# KiCad board hypjolin.kicad_pcb
title: The Hypjolin Box; company: Triglav Modular; note: Circuit by Rob Hordijk & Ian Fritz
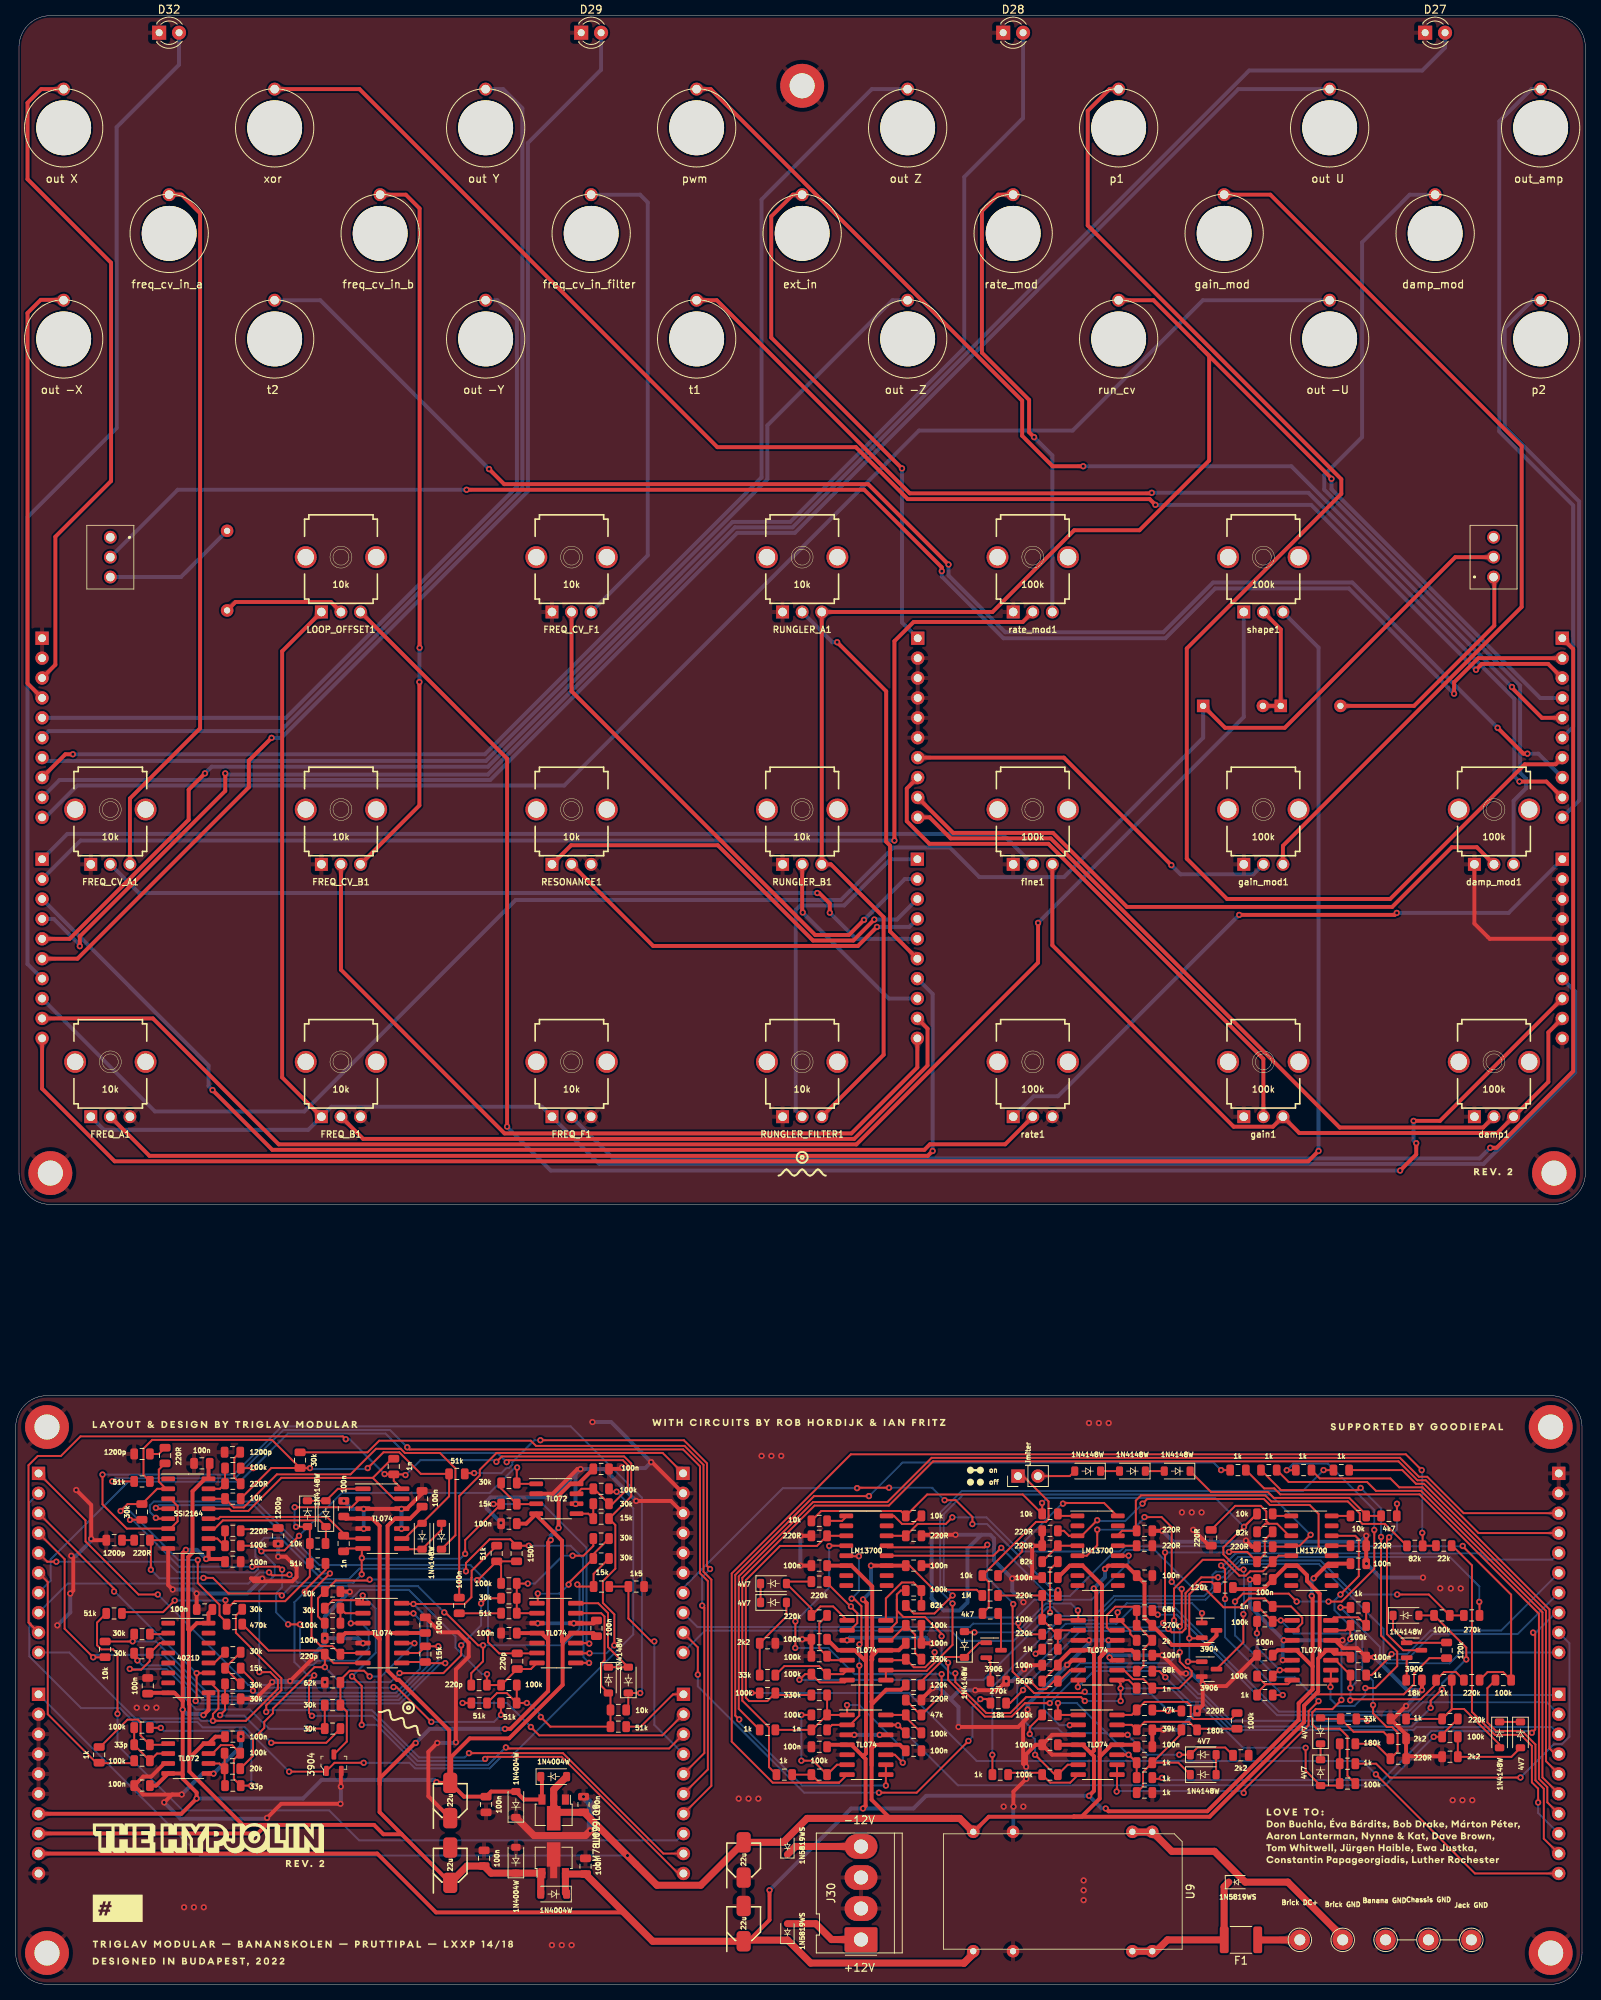
[diagram p0: board, top side]
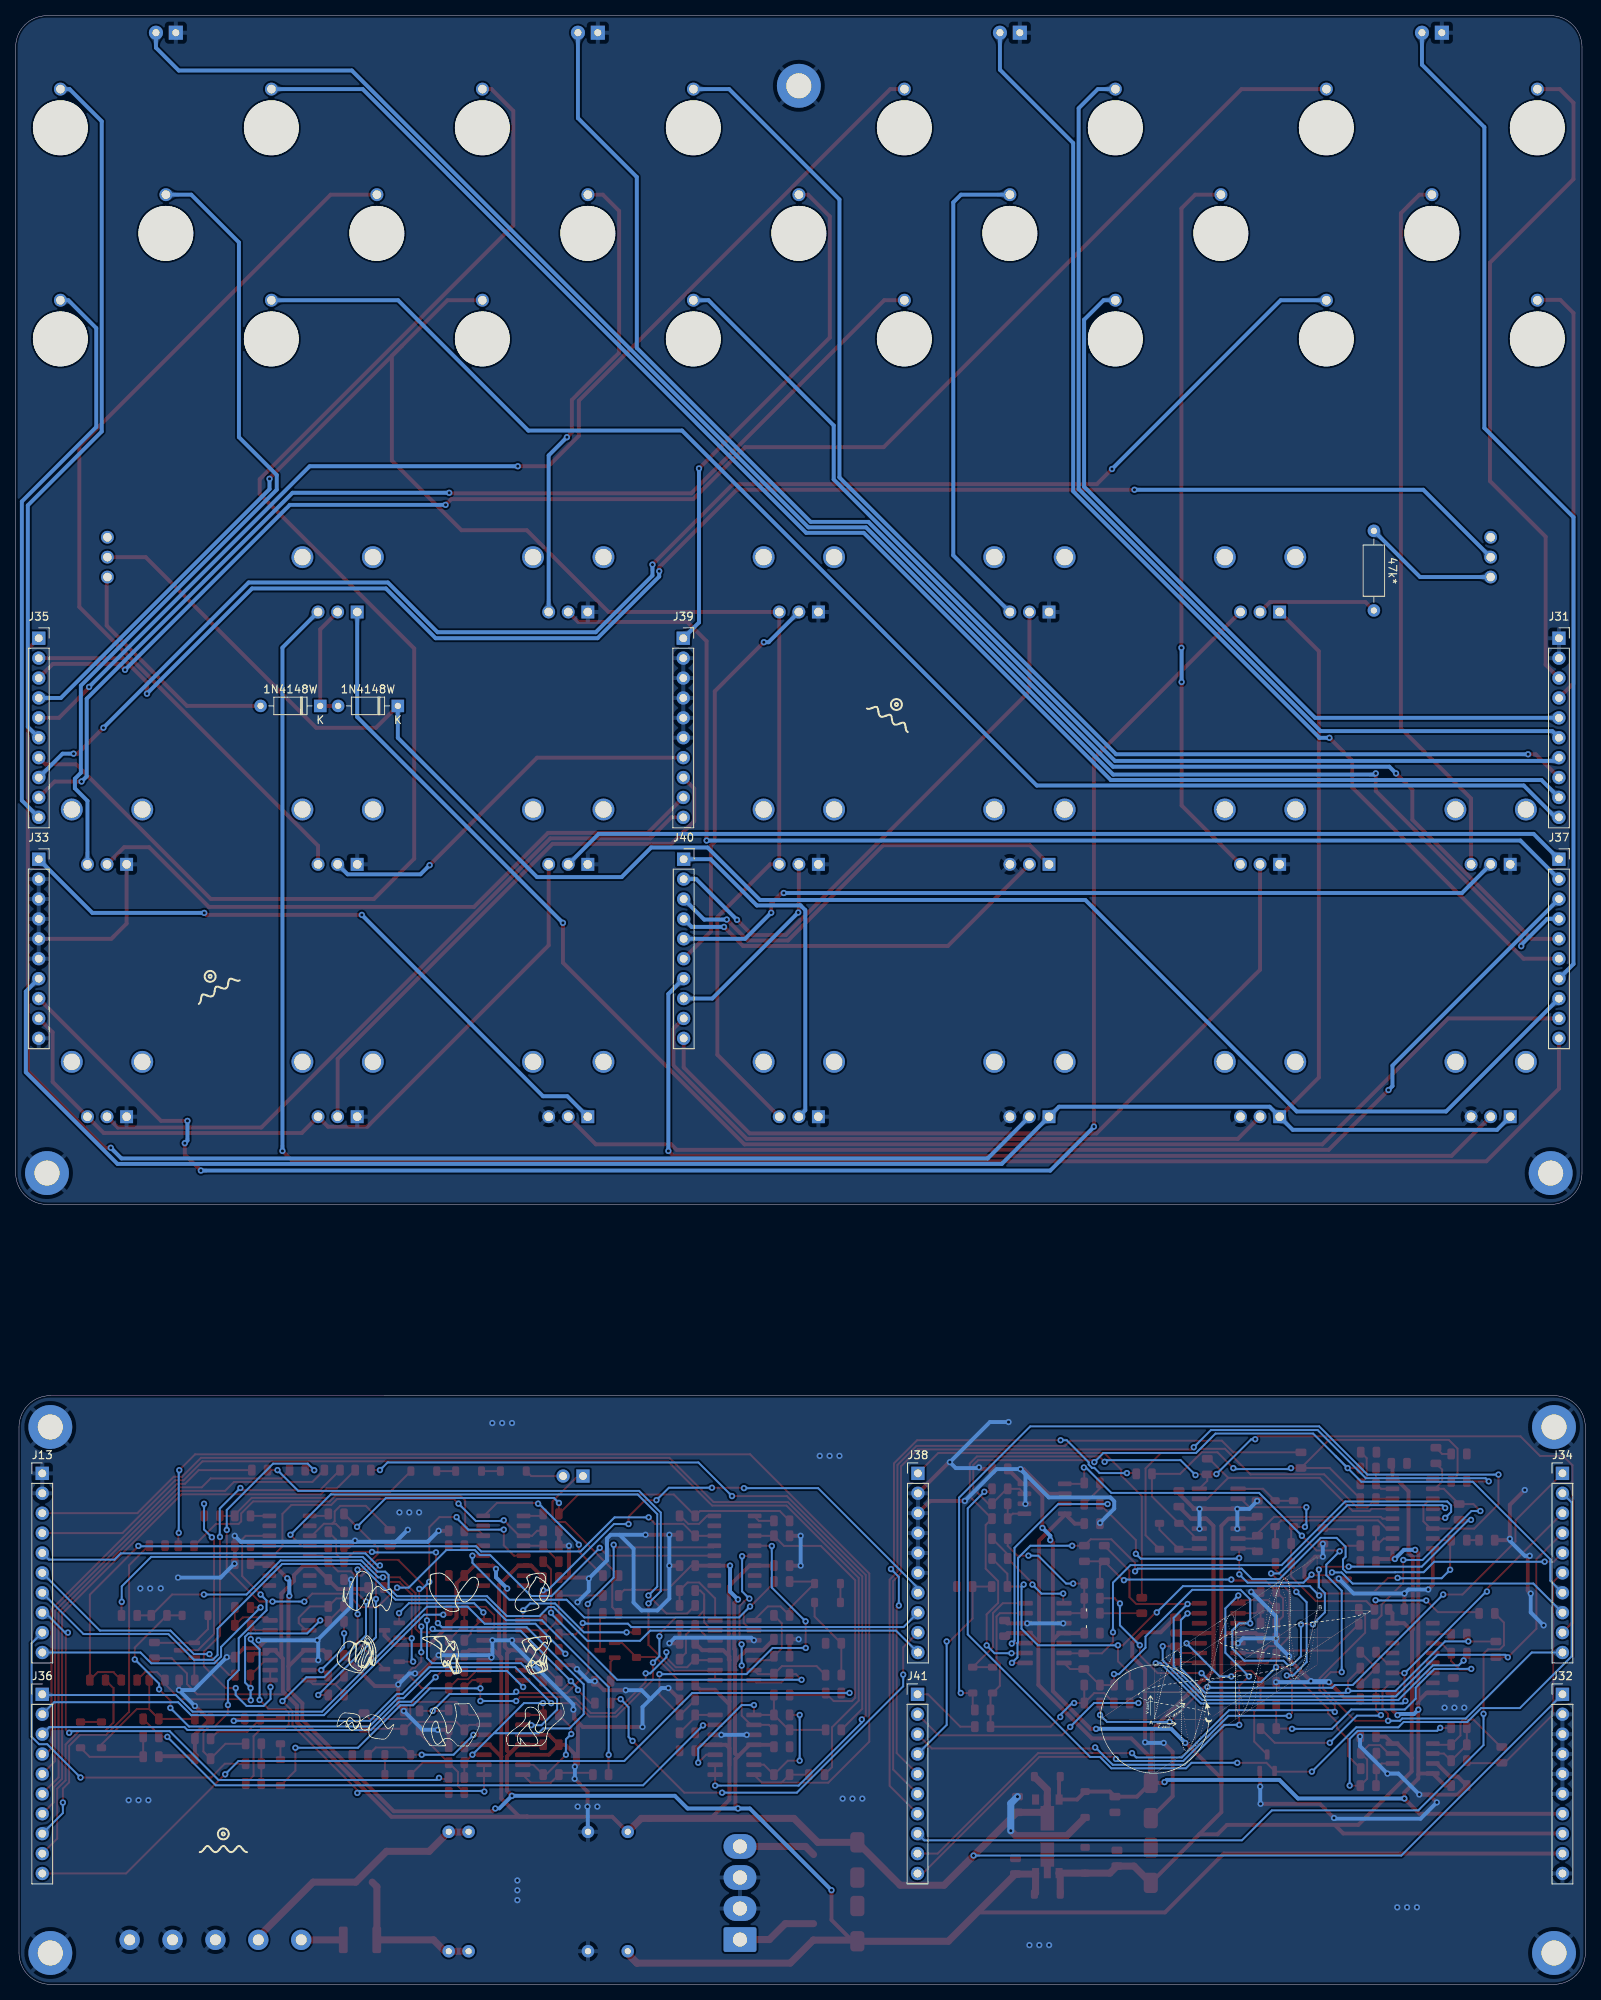
[diagram p1: board, bottom side, seen from below]

Outline 200.42 x 251.22 mm; copper layers: Top, Bottom. Coordinates in mm from the lower left corner of the outline.
Outline path: 0,71.12 0,4 arc(1.17,1.17) 4,0 196,0 arc(198.83,1.17) 200,4 200,71.12 arc(198.83,73.95) 196,75.12 4,75.12 arc(1.17,73.95) 0,71.12 ; 0.42,247.22 arc(1.6,250.05) 4.42,251.22 196.42,251.22 arc(199.25,250.05) 200.42,247.22 200.42,103.53 arc(199.25,100.7) 196.42,99.53 4.43,99.53 arc(1.6,100.7) 0.43,103.53 0.42,247.22
Stack: Top 0.035mm / dielectric 1.51mm FR4 er 4.5 / Bottom 0.035mm

## Placement (name value [footprint] x y rotation side)
C1  1200p  [C_0805_2012Metric]  27.68 67.91 180 top
C2  1200p  [C_0805_2012Metric]  33.52 57.24 270 top
C3  1n  [C_0805_2012Metric]  48.27 66.08 270 top
C4  1n  [C_0805_2012Metric]  41.88 56.25 270 top
C5  100n  [C_0805_2012Metric]  56.63 48.35 270 top
C6  1200p  [C_0805_2012Metric]  12.57 56.68 0 top
C7  220p  [C_0805_2012Metric]  59.17 38.19 0 top
C8  220p  [C_0805_2012Metric]  64.04 41.23 270 top
C9  1200p  [C_0805_2012Metric]  16.13 67.68 0 top
C10  220p  [C_0805_2012Metric]  40.47 42.13 180 top
C11  100n  [C_0805_2012Metric]  72.76 15.07 90 top
C12  100n  [C_0805_2012Metric]  72.51 22.95 270 top
C13  100n  [C_0805_2012Metric]  59.81 16.09 90 top
C14  100n  [C_0805_2012Metric]  60.06 22.95 90 top
C15  22u  [CAPAE430X610N]  55.49 15.2 90 top
C16  22u  [CAPAE430X610N]  55.49 23.46 90 top
C17  100n  [C_0805_2012Metric]  41.9 60.7 90 top
C18  100n  [C_0805_2012Metric]  51.9 61.97 270 top
C19  100n  [C_0805_2012Metric]  74.76 65.78 0 top
C20  100n  [C_0805_2012Metric]  62.98 58.79 0 top
C21  100n  [C_0805_2012Metric]  23.77 66.48 180 top
C22  100n  [C_0805_2012Metric]  27.73 53.94 180 top
C23  100n  [C_0805_2012Metric]  24.12 47.84 180 top
C24  100n  [C_0805_2012Metric]  16.86 38.09 270 top
C25  100n  [C_0805_2012Metric]  62.98 44.82 180 top
C26  100n  [C_0805_2012Metric]  74.16 45.43 270 top
C27  100n  [C_0805_2012Metric]  40.47 44.19 180 top
C28  100n  [C_0805_2012Metric]  52.31 45.83 270 top
C29  33p  [C_0805_2012Metric]  16.13 30.57 180 top
C30  100n  [C_0805_2012Metric]  27.73 31.6 0 top
C31  100n  [C_0805_2012Metric]  16.13 25.36 0 top
C32  33p  [C_0805_2012Metric]  27.73 25.36 0 top
C33  22u  [CAPAE430X610N]  92.95 7.75 90 top
C34  22u  [CAPAE430X610N]  92.95 15.87 90 top
C35  1n  [C_0805_2012Metric]  144.13 37.81 0 top
C36  1n  [C_0805_2012Metric]  159.5 53.94 0 top
C37  1n  [C_0805_2012Metric]  159.5 48.22 0 top
C38  1n  [C_0805_2012Metric]  102.61 32.47 0 top
C39  100n  [C_0805_2012Metric]  144.13 52.16 0 top
C40  100n  [C_0805_2012Metric]  132.07 51.91 0 top
C41  100n  [C_0805_2012Metric]  171.44 53.68 0 top
C42  100n  [C_0805_2012Metric]  114.65 29.81 180 top
C43  100n  [C_0805_2012Metric]  132.07 40.73 180 top
C44  100n  [C_0805_2012Metric]  114.65 43.52 180 top
C45  100n  [C_0805_2012Metric]  114.65 53.43 0 top
C46  100n  [C_0805_2012Metric]  159.5 51.65 0 top
C47  100n  [C_0805_2012Metric]  102.61 44.03 180 top
C48  100n  [C_0805_2012Metric]  144.13 42 180 top
C49  100n  [C_0805_2012Metric]  132.07 30.57 180 top
C50  100n  [C_0805_2012Metric]  171.44 41.75 180 top
C51  100n  [C_0805_2012Metric]  102.61 30.31 180 top
C52  100n  [C_0805_2012Metric]  102.61 53.43 0 top
C53  100n  [C_0805_2012Metric]  159.5 42 180 top
C54  100n  [C_0805_2012Metric]  144.13 30.31 180 top
D1  1N4148W  [D_SOD-123]  51.9 57.18 90 top
D2  1N4148W  [D_SOD-123]  37.26 60.06 270 top
D3  1N4148W  [D_SOD-123]  54.38 57.18 90 top
D4  1N4148W  [D_SOD-123]  39.61 60.06 90 top
D5  1N4148W  [D_SOD-123]  75.68 38.82 270 top
D6  1N4148W  [D_SOD-123]  78.22 38.82 90 top
D7  1N4004W  [D_SOD-123]  68.7 26.5 0 top
D8  1N4004W  [D_SOD-123]  68.7 11.52 180 top
D9  1N4004W  [D_SOD-123]  63.87 15.84 90 top
D10  1N4004W  [D_SOD-123]  63.87 22.95 90 top
D12  1N5819WS  [D_SOD-323]  98.54 6.69 90 top
D13  1N5819WS  [D_SOD-323]  98.54 17.62 90 top
D14  1N4148W  [D_SOD-123]  121.15 43.37 90 top
D15  4V7  [D_SOD-123]  96.76 51.14 0 top
D16  1N4148W  [D_SOD-123]  177.52 47.08 0 top
D17  4V7  [D_SOD-123]  96.76 48.73 0 top
D18  1N4148W  [D_SOD-123]  136.88 65.49 180 top
D19  1N4148W  [D_SOD-123]  142.59 65.49 180 top
D20  1N4148W  [D_SOD-123]  148.31 65.49 180 top
D21  4V7  [D_SOD-123]  166.61 27.01 270 top
D22  4V7  [D_SOD-123]  166.61 32.35 90 top
D23  1N4148W  [D_SOD-123]  151.63 26.76 0 top
D24  4V7  [D_SOD-123]  151.63 29.3 0 top
D25  1N4148W  [D_SOD-123]  189.47 31.84 270 top
D26  4V7  [D_SOD-123]  192.14 31.84 270 top
D27  LED_Dual_Bidirectional_U  [LED_D3.0mm_Clear]  179.97 249.05 0 top
D28  LED_Dual_Bidirectional_Z  [LED_D3.0mm_Clear]  126.09 249.05 0 top
D29  LED_Dual_Bidirectional_Y  [LED_D3.0mm_Clear]  72.21 249.05 0 top
D30  1N4148W  [D_DO-35_SOD27_P7.62mm_Horizontal]  151.63 163.14 0 bottom
D31  1N4148W  [D_DO-35_SOD27_P7.62mm_Horizontal]  161.53 163.14 0 bottom
D32  LED_Dual_Bidirectional_X  [LED_D3.0mm_Clear]  18.32 249.05 0 top
D33  1N5819WS  [D_SOD-323]  155.95 13.04 0 top
damp1  100k  [MusicThingModular-9MM_SNAP-IN_POT]  188.76 117.72 0 top
damp_mod1  100k  [MusicThingModular-9MM_SNAP-IN_POT]  188.76 149.92 0 top
F1  mSMD030  [Fuse_1812_4532Metric]  156.45 5.68 180 top
fine1  100k  [MusicThingModular-9MM_SNAP-IN_POT]  129.87 149.92 0 top
FREQ_A1  10k  [MusicThingModular-9MM_SNAP-IN_POT]  12.09 117.72 0 top
FREQ_B1  10k  [MusicThingModular-9MM_SNAP-IN_POT]  41.54 117.72 0 top
FREQ_CV_A1  10k  [MusicThingModular-9MM_SNAP-IN_POT]  12.09 149.92 0 top
FREQ_CV_B1  10k  [MusicThingModular-9MM_SNAP-IN_POT]  41.54 149.92 0 top
FREQ_CV_F1  10k  [MusicThingModular-9MM_SNAP-IN_POT]  70.98 182.13 0 top
FREQ_F1  10k  [MusicThingModular-9MM_SNAP-IN_POT]  70.98 117.72 0 top
G***  -  [LOGO]  38.58 5.15 0 top
G***#2  -  [LOGO]  201.12 103.73 0 top
G***#3  -  [LOGO]  24.74 2.99 0 top
G***#4  -  [LOGO]  33.05 18.8 0 top
G***#5  -  [LOGO]  106.32 71.73 0 top
G***#6  -  [LOGO]  186.07 71.19 0 top
G***#7  -  [LOGO]  176.02 18.81 0 top
G***#8  -  [LOGO]  49.42 15.44 0 top
G***#9  -  [LOGO]  19.24 9.38 0 top
G***#10  -  [LOGO]  30.66 71.47 0 top
G***#11  -  [LOGO]  144.96 41.27 180 bottom
G***#12  -  [LOGO]  45.35 40.66 180 bottom
gain1  100k  [MusicThingModular-9MM_SNAP-IN_POT]  159.31 117.72 0 top
gain_mod1  100k  [MusicThingModular-9MM_SNAP-IN_POT]  159.31 149.92 0 top
IC1  4021D  [SO-16_3.9x9.9mm_P1.27mm]  22.05 41.65 0 top
IC2  TL074  [SO-14_3.9x8.65mm_P1.27mm]  46.82 59.43 0 top
IC3  SSI2164  [SO-16_3.9x9.9mm_P1.27mm]  22.05 60.06 0 top
IC4  TL072  [SO-8_3.9x4.9mm_P1.27mm]  69.04 61.97 0 top
IC5  TL074  [SO-14_3.9x8.65mm_P1.27mm]  46.82 44.82 0 top
IC6  TL074  [SO-14_3.9x8.65mm_P1.27mm]  69.04 44.82 0 top
IC7  LM78L09  [SOT-89-3]  68.7 15.84 90 top
IC8  LM79L09  [SOT-89-3]  68.7 21.93 270 top
IC9  TL072  [SO-8_3.9x4.9mm_P1.27mm]  22.05 28.81 0 top
J1  freq_cv_in_a  [Banana_Jack_1Pin]  19.6 223.44 0 top
J2  freq_cv_in_b  [Banana_Jack_1Pin]  46.54 223.44 0 top
J3  ext_in  [Banana_Jack_1Pin]  100.42 223.44 0 top
J4  p2  [Banana_Jack_1Pin]  194.72 209.97 0 top
J5  t1  [Banana_Jack_1Pin]  86.95 209.97 0 top
J6  t2  [Banana_Jack_1Pin]  33.07 209.97 0 top
J7  p1  [Banana_Jack_1Pin]  140.84 236.91 0 top
J8  out_amp  [Banana_Jack_1Pin]  194.72 236.91 0 top
J9  pwm  [Banana_Jack_1Pin]  86.95 236.91 0 top
J10  run_cv  [Banana_Jack_1Pin]  140.84 209.97 0 top
J11  xor  [Banana_Jack_1Pin]  33.07 236.91 0 top
J12  freq_cv_in_filter  [Banana_Jack_1Pin]  73.48 223.44 0 top
J13  CONN_4_M  [PinHeader_1x10_P2.54mm_Vertical]  197.03 65.21 180 bottom
J14  Limiter  [PinHeader_1x02_P2.54mm_Vertical]  127.98 64.86 90 top
J15  out -U  [Banana_Jack_1Pin]  167.78 209.97 0 top
J16  out U  [Banana_Jack_1Pin]  167.78 236.91 0 top
J17  out Z  [Banana_Jack_1Pin]  113.9 236.91 0 top
J18  out -Z  [Banana_Jack_1Pin]  113.9 209.97 0 top
J19  out Y  [Banana_Jack_1Pin]  60.01 236.91 0 top
J20  out -Y  [Banana_Jack_1Pin]  60.01 209.97 0 top
J21  out -X  [Banana_Jack_1Pin]  6.13 209.97 0 top
J22  out X  [Banana_Jack_1Pin]  6.13 236.91 0 top
J23  gain_mod  [Banana_Jack_1Pin]  154.31 223.44 0 top
J24  rate_mod  [Banana_Jack_1Pin]  127.37 223.44 0 top
J25  damp_mod  [Banana_Jack_1Pin]  181.25 223.44 0 top
J26  Banana GND  [Pin_D1.4mm_L8.5mm_W2.8mm_FlatFork]  174.92 5.68 0 top
J27  Chassis GND  [Pin_D1.4mm_L8.5mm_W2.8mm_FlatFork]  180.39 5.68 0 top
J28  Brick DC+  [Pin_D1.4mm_L8.5mm_W2.8mm_FlatFork]  163.97 5.68 0 top
J29  Brick GND  [Pin_D1.4mm_L8.5mm_W2.8mm_FlatFork]  169.44 5.68 0 top
J30  Conn_01x04_Male  [Molex_KK-396_5273-04A_1x04_P3.96mm_Vertical_copy]  107.94 5.71 90 top
J31  CONN_4_P  [PinSocket_1x10_P2.54mm_Vertical]  3.37 171.78 180 bottom
J32  CONN_5_M  [PinHeader_1x10_P2.54mm_Vertical]  2.92 37.01 180 bottom
J33  CONN_5_P  [PinSocket_1x10_P2.54mm_Vertical]  197.48 143.58 180 bottom
J34  CONN_2_M  [PinHeader_1x10_P2.54mm_Vertical]  2.92 65.21 180 bottom
J35  CONN_2_P  [PinSocket_1x10_P2.54mm_Vertical]  197.48 171.78 180 bottom
J36  CONN_6_M  [PinHeader_1x10_P2.54mm_Vertical]  197.03 37.01 180 bottom
J37  CONN_6_P  [PinSocket_1x10_P2.54mm_Vertical]  3.37 143.58 180 bottom
J38  CONN_1_M  [PinHeader_1x10_P2.54mm_Vertical]  85.22 65.21 180 bottom
J39  CONN_1_P  [PinSocket_1x10_P2.54mm_Vertical]  115.18 171.78 180 bottom
J40  CONN_3_P  [PinSocket_1x10_P2.54mm_Vertical]  115.13 143.58 180 bottom
J41  CONN_3_M  [PinHeader_1x10_P2.54mm_Vertical]  85.27 37.01 180 bottom
J42  Jack GND  [Pin_D1.4mm_L8.5mm_W2.8mm_FlatFork]  185.87 5.68 0 top
LOOP_OFFSET1  10k  [MusicThingModular-9MM_SNAP-IN_POT]  41.54 182.13 0 top
Q1  3904  [SOT-23-3]  40.63 28.28 90 top
Q2  3906  [SOT-23]  124.87 42.63 0 top
Q3  3904  [SOT-23]  152.39 45.17 0 top
Q4  3906  [SOT-23]  178.55 42.63 0 top
Q5  3906  [SOT-23]  152.39 40.22 0 top
R1  51k  [R_0805_2012Metric]  56.34 65.14 180 top
R2  51k  [R_0805_2012Metric]  38.56 53.71 180 top
R3  30k  [R_0805_2012Metric]  36.31 66.89 270 top
R4  51k  [R_0805_2012Metric]  16.13 64.18 0 top
R5  30k  [R_0805_2012Metric]  27.93 47.86 180 top
R6  51k  [R_0805_2012Metric]  12.56 47.33 0 top
R7  10k  [R_0805_2012Metric]  27.73 61.98 180 top
R8  10k  [R_0805_2012Metric]  38.56 56.25 0 top
R9  220R  [R_0805_2012Metric]  27.73 63.88 180 top
R10  220R  [R_0805_2012Metric]  27.73 57.87 180 top
R11  100k  [R_0805_2012Metric]  27.73 65.88 0 top
R12  100k  [R_0805_2012Metric]  27.73 55.97 0 top
R13  15k  [R_0805_2012Metric]  74.76 59.43 180 top
R14  15k  [R_0805_2012Metric]  62.98 61.28 0 top
R15  30k  [R_0805_2012Metric]  74.76 61.33 0 top
R16  30k  [R_0805_2012Metric]  62.98 63.98 0 top
R17  100k  [R_0805_2012Metric]  74.76 63.24 0 top
R18  47k*  [R_Axial_DIN0207_L6.3mm_D2.5mm_P10.16mm_Horizontal]  27 175.32 90 bottom
R19  30k  [R_0805_2012Metric]  16.12 42.25 0 top
R20  30k  [R_0805_2012Metric]  40.47 35.63 180 top
R21  62k  [R_0805_2012Metric]  40.47 38.53 0 top
R22  15k  [R_0805_2012Metric]  52.31 42.13 90 top
R23  30k  [R_0805_2012Metric]  16.13 44.69 0 top
R24  30k  [R_0805_2012Metric]  27.73 42.38 180 top
R25  30k  [R_0805_2012Metric]  40.47 32.63 180 top
R26  15k  [R_0805_2012Metric]  27.73 40.35 0 top
R27  30k  [R_0805_2012Metric]  27.73 38.34 0 top
R28  30k  [R_0805_2012Metric]  27.73 36.43 180 top
R29  10k  [R_0805_2012Metric]  11.42 42.75 90 top
R30  51k  [R_0805_2012Metric]  62.98 47.36 0 top
R31  100k  [R_0805_2012Metric]  62.98 51.17 0 top
R32  30k  [R_0805_2012Metric]  62.98 49.27 180 top
R33  30k  [R_0805_2012Metric]  74.76 56.89 0 top
R34  30k  [R_0805_2012Metric]  74.76 54.35 0 top
R35  51k  [R_0805_2012Metric]  61.42 54.98 270 top
R36  150k  [R_0805_2012Metric]  63.96 54.98 270 top
R37  220R  [R_0805_2012Metric]  16.13 56.68 0 top
R38  10k  [R_0805_2012Metric]  40.47 50.13 180 top
R39  15k  [R_0805_2012Metric]  74.79 50.76 180 top
R40  1k5  [R_0805_2012Metric]  79.24 50.76 180 top
R41  51k  [R_0805_2012Metric]  59.19 35.9 0 top
R42  51k  [R_0805_2012Metric]  76.95 32.88 180 top
R43  51k  [R_0805_2012Metric]  62.97 35.9 0 top
R44  100k  [R_0805_2012Metric]  40.47 46.09 0 top
R45  100k  [R_0805_2012Metric]  62.98 38.19 180 top
R46  10k  [R_0805_2012Metric]  76.95 35.01 0 top
R47  30k  [R_0805_2012Metric]  16.12 60.29 90 top
R48  30k  [R_0805_2012Metric]  40.47 48 180 top
R49  220R  [R_0805_2012Metric]  19.08 67.48 270 top
R50  470k  [R_0805_2012Metric]  27.93 45.96 0 top
R51  82k  [R_0805_2012Metric]  178.65 55.96 180 top
R52  220R  [R_0805_2012Metric]  144.13 57.87 180 top
R53  220R  [R_0805_2012Metric]  144.13 55.97 180 top
R54  220k  [R_0805_2012Metric]  132.07 49.62 0 top
R55  220k  [R_0805_2012Metric]  132.07 44.67 180 top
R56  270k  [R_0805_2012Metric]  125.47 35.89 180 top
R57  1M  [R_0805_2012Metric]  132.07 42.76 180 top
R58  68k  [R_0805_2012Metric]  144.13 47.71 0 top
R59  270k  [R_0805_2012Metric]  185.91 47.07 0 top
R60  68k  [R_0805_2012Metric]  144.13 39.97 0 top
R61  1M  [R_0805_2012Metric]  124.43 49.62 0 top
R62  1k  [R_0805_2012Metric]  10.66 29.29 270 top
R63  100k  [R_0805_2012Metric]  16.13 32.76 180 top
R64  100k  [R_0805_2012Metric]  16.13 28.54 180 top
R65  100k  [R_0805_2012Metric]  27.68 29.5 0 top
R66  20k  [R_0805_2012Metric]  27.68 27.52 180 top
R67  220k  [R_0805_2012Metric]  102.61 51.4 0 top
R68  100k  [R_0805_2012Metric]  132.07 46.57 180 top
R69  560k  [R_0805_2012Metric]  132.07 38.7 0 top
R70  270k  [R_0805_2012Metric]  144.13 45.81 180 top
R71  120k  [R_0805_2012Metric]  114.65 38.19 180 top
R72  100k  [R_0805_2012Metric]  182.11 47.08 0 top
R73  2k  [R_0805_2012Metric]  144.13 43.9 0 top
R74  120k  [R_0805_2012Metric]  182.71 42.62 270 top
R75  10k  [R_0805_2012Metric]  124.43 52.16 180 top
R76  4k7  [R_0805_2012Metric]  124.45 47.33 0 top
R77  18k  [R_0805_2012Metric]  125.47 38.68 0 top
R78  2k2  [R_0805_2012Metric]  96 43.52 0 top
R79  120k  [R_0805_2012Metric]  154.42 50.63 0 top
R80  33k  [R_0805_2012Metric]  96 39.46 0 top
R81  4k7  [R_0805_2012Metric]  175.34 59.78 0 top
R82  18k  [R_0805_2012Metric]  178.55 38.82 0 top
R83  220k  [R_0805_2012Metric]  102.61 47.08 0 top
R84  100k  [R_0805_2012Metric]  102.61 41.87 0 top
R85  100k  [R_0805_2012Metric]  102.61 39.59 180 top
R86  82k  [R_0805_2012Metric]  132.07 53.94 180 top
R87  220R  [R_0805_2012Metric]  132.07 55.97 0 top
R88  2k2  [R_0805_2012Metric]  176.54 31.33 0 top
R89  220R  [R_0805_2012Metric]  132.07 57.87 0 top
R90  1k  [R_0805_2012Metric]  144.13 28.28 0 top
R91  1k  [R_0805_2012Metric]  144.13 24.47 0 top
R92  330k  [R_0805_2012Metric]  114.65 41.49 180 top
R93  33k  [R_0805_2012Metric]  170.19 33.87 180 top
R94  100k  [R_0805_2012Metric]  114.65 45.81 0 top
R95  10k  [R_0805_2012Metric]  132.07 60.03 0 top
R96  180k  [R_0805_2012Metric]  149.85 32.47 0 top
R97  10k  [R_0805_2012Metric]  171.44 59.78 0 top
R98  1k  [R_0805_2012Metric]  182.36 38.82 0 top
R99  1k  [R_0805_2012Metric]  176.54 33.87 180 top
R100  100k  [R_0805_2012Metric]  114.65 50.25 180 top
R101  2k2  [R_0805_2012Metric]  156.44 29.22 0 top
R102  220R  [R_0805_2012Metric]  171.44 55.97 180 top
R103  82k  [R_0805_2012Metric]  114.65 48.35 0 top
R104  180k  [R_0805_2012Metric]  170.06 30.7 180 top
R105  220R  [R_0805_2012Metric]  176.54 28.79 180 top
R106  39k  [R_0805_2012Metric]  144.13 32.47 0 top
R107  100k  [R_0805_2012Metric]  170.06 25.62 180 top
R108  220R  [R_0805_2012Metric]  159.5 55.84 180 top
R109  1k  [R_0805_2012Metric]  170.06 28.16 180 top
R110  2k2  [R_0805_2012Metric]  183.14 29.05 0 top
R111  220R  [R_0805_2012Metric]  152.64 56.99 270 top
R112  82k  [R_0805_2012Metric]  159.5 57.75 0 top
R113  100k  [R_0805_2012Metric]  155.95 33.62 90 top
R114  100k  [R_0805_2012Metric]  183.14 31.58 180 top
R115  220k  [R_0805_2012Metric]  183.14 33.87 0 top
R116  100k  [R_0805_2012Metric]  171.44 45.81 180 top
R117  1k  [R_0805_2012Metric]  169.26 65.62 180 top
R118  10k  [R_0805_2012Metric]  159.5 60.03 0 top
R119  47k  [R_0805_2012Metric]  144.13 35.01 0 top
R120  1k  [R_0805_2012Metric]  171.44 48.09 0 top
R121  220R  [R_0805_2012Metric]  149.85 34.89 180 top
R122  100k  [R_0805_2012Metric]  114.65 32.09 0 top
R123  220R  [R_0805_2012Metric]  114.65 57.24 180 top
R124  220k  [R_0805_2012Metric]  185.92 38.82 0 top
R125  47k  [R_0805_2012Metric]  114.65 34.38 0 top
R126  220R  [R_0805_2012Metric]  114.65 36.28 180 top
R127  100k  [R_0805_2012Metric]  96 37.17 0 top
R128  100k  [R_0805_2012Metric]  189.95 38.82 0 top
R129  1k  [R_0805_2012Metric]  144.13 26.38 0 top
R130  100k  [R_0805_2012Metric]  132.07 34.38 0 top
R131  10k  [R_0805_2012Metric]  114.65 59.78 0 top
R133  1k  [R_0805_2012Metric]  164.45 65.62 180 top
R134  100k  [R_0805_2012Metric]  132.07 26.76 0 top
R135  220R  [R_0805_2012Metric]  102.61 57.24 0 top
R136  1k  [R_0805_2012Metric]  125.72 26.76 0 top
R137  1k  [R_0805_2012Metric]  171.44 39.46 0 top
R138  100k  [R_0805_2012Metric]  159.5 46.32 0 top
R139  10k  [R_0805_2012Metric]  102.61 59.14 0 top
R141  100k  [R_0805_2012Metric]  159.5 39.33 0 top
R142  1k  [R_0805_2012Metric]  160.01 65.62 180 top
R143  330k  [R_0805_2012Metric]  102.61 36.92 180 top
R144  1k  [R_0805_2012Metric]  159.5 36.92 180 top
R145  1k  [R_0805_2012Metric]  96 32.47 180 top
R146  100k  [R_0805_2012Metric]  102.61 34.38 0 top
R147  1k  [R_0805_2012Metric]  156.07 65.62 180 top
R148  22k  [R_0805_2012Metric]  182.35 55.97 180 top
R149  100k  [R_0805_2012Metric]  102.61 26.76 0 top
R150  1k  [R_0805_2012Metric]  98.14 26.76 180 top
rate1  100k  [MusicThingModular-9MM_SNAP-IN_POT]  129.87 117.72 0 top
rate_mod1  100k  [MusicThingModular-9MM_SNAP-IN_POT]  129.87 182.13 0 top
REF**  -  [MountingHole_3.2mm_M3_DIN965_Pad]  4 4 0 top
REF**#2  -  [MountingHole_3.2mm_M3_DIN965_Pad]  196 71.12 180 top
REF**#3  -  [MountingHole_3.2mm_M3_DIN965_Pad]  196.42 103.53 0 top
REF**#4  -  [MountingHole_3.2mm_M3_DIN965_Pad]  4.43 103.53 0 top
REF**#5  -  [MountingHole_3.2mm_M3_DIN965_Pad]  100.42 242.28 0 top
REF**#6  -  [MountingHole_3.2mm_M3_DIN965_Pad]  4 71.12 270 top
REF**#7  -  [MountingHole_3.2mm_M3_DIN965_Pad]  196 4 90 top
RESONANCE1  10k  [MusicThingModular-9MM_SNAP-IN_POT]  70.98 149.92 0 top
RUNGLER_A1  10k  [MusicThingModular-9MM_SNAP-IN_POT]  100.42 182.13 0 top
RUNGLER_B1  10k  [MusicThingModular-9MM_SNAP-IN_POT]  100.42 149.92 0 top
RUNGLER_FILTER1  10k  [MusicThingModular-9MM_SNAP-IN_POT]  100.42 117.72 0 top
shape1  100k  [MusicThingModular-9MM_SNAP-IN_POT]  159.31 182.13 0 top
SW1  SUBMINI_SPDT  [1082MS1T1B1M2QEEVX]  12.09 184.67 180 top
SW2  SUBMINI_SPDT  [1082MS1T1B1M2QEEVX]  188.71 179.58 0 top
U1  LM13700  [SO-16_3.9x9.9mm_P1.27mm]  138.15 55.33 0 top
U2  LM13700  [SO-16_3.9x9.9mm_P1.27mm]  165.45 55.33 0 top
U3  TL074  [SO-14_3.9x8.65mm_P1.27mm]  138.15 42.63 0 top
U4  TL074  [SO-14_3.9x8.65mm_P1.27mm]  108.64 42.63 0 top
U5  LM13700  [SO-16_3.9x9.9mm_P1.27mm]  108.64 55.33 0 top
U6  TL074  [SO-14_3.9x8.65mm_P1.27mm]  138.15 30.57 0 top
U7  TL074  [SO-14_3.9x8.65mm_P1.27mm]  165.45 42.63 0 top
U8  TL074  [SO-14_3.9x8.65mm_P1.27mm]  108.64 30.57 0 top
U9  DJ06D2412A  [DIP-24_W15.24mm]  147.67 19.46 270 top
